# EAGLE board Mk4 Final Panel 8up 4x2 (EAGLE 9.0.1), part 17 of 23
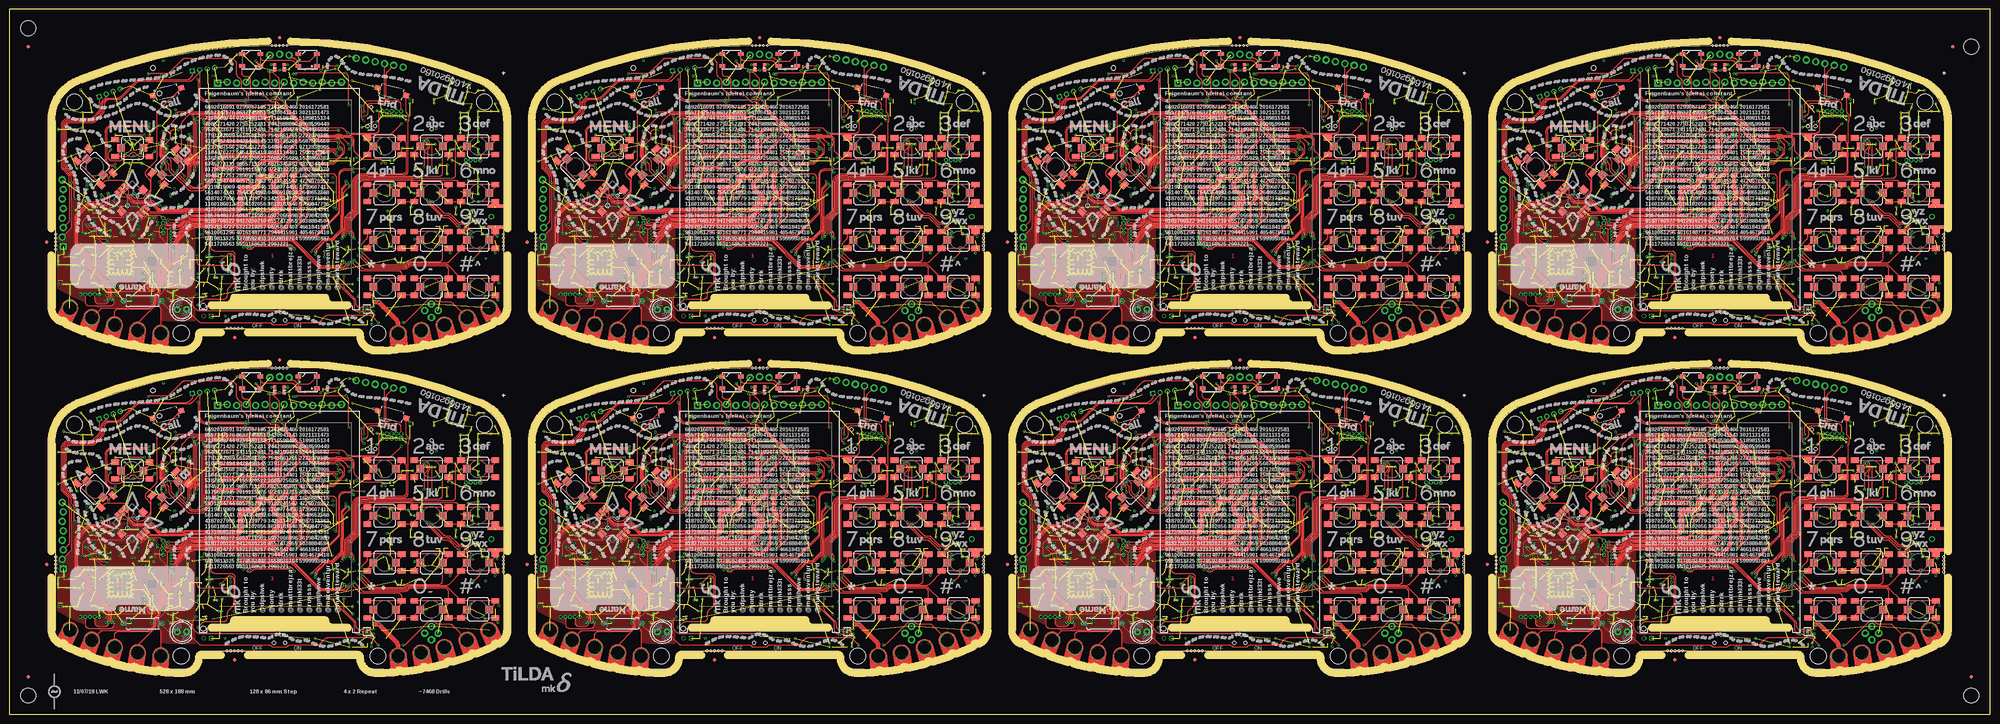
[diagram p0: board, top side]
## Tracks (layer width: path | path; a pad name or v marks a point on that pad's centre or on a via) (continued)
SDRAM_A61  (via drill 0.3) (continued)
  Top 0.15: v297.75,59.25 297.75,60.34 arc45 297.46,61.05 297.38,61.12 arc-45 297.16,61.65 297.16,62.58 arc45 297.09,62.76 296.87,62.98 arc-45 296.8,63.16 296.8,65.24 arc-45 296.95,65.59 297.02,65.67 arc45 297.16,66.02 297.16,66.25 arc-45 297.46,66.96 v297.75,67.25 | v318.65,61.75 317.32,60.42 arc-45 316.61,60.12 311.5,60.12 arc90 310,58.62 310,57.42 arc-45 309.71,56.72 307.76,54.77 arc-45 307.05,54.48 305.2,54.48 arc-45 304.49,54.77 301.04,58.22 arc-45 300.75,58.92 v300.75,59
  Bottom 0.15: IC73.44 298.65,67.1 298.65,67.1 arc45 298.29,67.25 v297.75,67.25 | v297.75,59.25 298.29,59.25 arc-45 298.65,59.1 IC73.34 300.51,59.1 arc-45 v300.75,59 | IC74.41 319.25,62 arc45 v318.65,61.75
SDRAM_A62  (via drill 0.3)
  Top 0.15: v311.5,58.25 311.57,58.17 321.35,58.17 arc45 322.06,58.47 322.9,59.31 arc45 323.05,59.66 v323.05,59.8 | v304.5,58.25 304.5,59.95 arc-45 304.79,60.65 305.48,61.34 arc90 305.48,62.4 304.79,63.09 arc-45 304.5,63.8 v304.5,68
  Bottom 0.15: IC73.45 299.82,67.9 arc45 299.96,67.96 arc-45 300.06,68 v304.5,68 | v311.5,58.25 311,58.25 310.95,58.3 IC73.22 309.8,58.3 arc-45 309.68,58.25 v304.5,58.25 | IC74.50 321.54,65.6 arc-45 322.24,65.31 322.76,64.79 arc-45 323.05,64.09 v323.05,59.8
SDRAM_A63  (via drill 0.3)
  Top 0.15: v297,60.75 297,61.08 296.86,61.22 296.86,62.46 arc45 296.79,62.64 296.57,62.85 arc-45 296.5,63.03 296.5,65.37 arc-45 296.65,65.72 296.72,65.79 arc45 296.86,66.14 296.86,66.95 arc-45 297.16,67.66 297.46,67.96 arc45 297.75,68.66 v297.75,70.25 301.53,74.03 arc-45 302.24,74.33 312.73,74.33 312.79,74.38 arc-90 314.21,74.38 314.42,74.17 324.97,74.17 arc-45 v325.47,73.97
  Bottom 0.15: IC73.48 298.55,70.3 298.5,70.25 v297.75,70.25 | IC73.36 298.55,60.7 298.5,60.75 v297,60.75 | v325.47,73.97 325.8,73.64 IC74.75
SDRAM_A64  (via drill 0.3)
  Top 0.15: v297,69.5 297,68.41 arc-45 296.71,67.71 arc45 296.5,67.21 296.5,66.49 296.52,66.47 296.52,66.1 arc-45 296.48,65.98 296.48,65.97 296.35,65.84 arc45 296.2,65.49 296.2,62.91 arc45 296.27,62.73 296.4,62.6 arc-45 296.48,62.42 296.48,60.53 296.5,60.51 v296.5,60 | v309.25,60.75 310.68,62.18 arc45 310.98,62.89 310.98,63.71 arc-45 311.27,64.42 312.46,65.61 arc-45 313.16,65.9 317.94,65.9 arc-45 318.64,65.61 318.96,65.29 arc45 319.66,65 v321.75,65
  Bottom 0.15: IC73.47 v297,69.5 | v296.5,60 298.42,60 arc-45 298.56,59.94 298.6,59.9 IC73.35 304.49,59.9 arc45 305.19,60.19 305.46,60.46 arc-45 306.16,60.75 v309.25,60.75 | IC74.49 321.27,65.2 arc-45 v321.75,65
SDRAM_A65  (via drill 0.3)
  Top 0.15: v433,73.5 v433,73.49 432.98,73.47 432.98,68.27 433.02,68.22 433.02,63.7 arc45 433.32,62.99 433.73,62.58 arc-90 433.73,61.17 433.27,60.7 arc45 432.98,60 432.98,58.52 433.02,58.47 433.02,58.03 433,58.01 v433,57.5 | v448.3,57.5 447.99,57.19 arc-45 447.29,56.9 440.51,56.9 arc-45 439.81,57.19 v439.5,57.5
  Bottom 0.15: IC91.2 434.21,74.3 arc45 433.51,74.01 v433,73.5 | IC92.29 451,58.02 arc90 450.5,58.52 450.12,58.52 | v439.5,57.5 IC91.23 v433,57.5 | 450.12,58.52 | 450.12,58.52 449.68,58.52 arc45 449.08,58.28 v448.3,57.5
SDRAM_A66  (via drill 0.3)
  Top 0.15: v448.3,56.75 arc-45 447.94,56.6 439.86,56.6 arc-45 v439.5,56.75 | v435.75,72.5 436.11,72.14 arc-45 436.4,71.44 436.4,70.13 arc45 436.44,70.03 arc-45 436.5,69.89 v436.5,56.75
  Bottom 0.15: v435.75,72.5 arc-45 436.23,72.7 IC91.4 | IC92.30 450.6,57.98 arc90 450.35,58.23 449.68,58.23 arc45 449.33,58.08 449.21,57.96 arc45 449,57.45 arc-90 v448.3,56.75 | v439.5,56.75 439.07,56.75 arc45 438.95,56.7 IC91.24 437.8,56.7 437.75,56.75 v436.5,56.75
SDRAM_A67  (via drill 0.3)
  Top 0.15: v435.7,71.75 435.73,71.72 arc-45 436.02,71.01 436.02,58.4 435.98,58.35 435.98,56.02 v436,56 | v448.3,56 v448.29,56.01 arc45 447.59,56.3 440.21,56.3 arc45 v439.51,56.01 v439.5,56
  Bottom 0.15: v435.7,71.75 arc-45 436.06,71.9 IC91.5 | v439.5,56 439.08,56 arc45 438.94,55.94 438.9,55.9 IC91.25 437.85,55.9 437.81,55.94 arc45 437.67,56 v436,56 | IC92.31 450.2,55.85 arc-90 449.7,55.35 448.8,55.35 arc-90 448.3,55.85 v448.3,56 v448.3,55.99
SDRAM_A68  (via drill 0.3)
  Top 0.15: v435.5,70.25 435.48,70.22 435.48,55.27 v435.5,55.25 | v439.5,55.25 439.96,55.71 arc-45 440.66,56 447.14,56 arc-45 447.84,55.71 448.02,55.53 arc90 448.73,55.53 v449.2,56
  Bottom 0.15: v439.5,55.25 439,55.25 438.85,55.1 IC91.26 437.9,55.1 437.81,55.19 arc45 437.67,55.25 v435.5,55.25 | v449.2,56 449.3,56 arc90 449.8,56.5 IC92.32 | v435.5,70.25 435.52,70.25 435.57,70.2 436.61,70.2 arc-45 436.75,70.14 436.77,70.11 arc90 437.83,70.11 438.02,70.3 IC91.7
SDRAM_A69  (via drill 0.3)
  Top 0.15: v439.5,69.5 440.58,68.42 arc45 441.29,68.12 450.71,68.12 arc-45 451.42,67.83 v452.25,67 | v434.75,69.5 434.95,69.3 arc-45 435.1,68.94 435.1,55.76 arc-45 434.95,55.4 v434.55,55
  Bottom 0.15: IC92.22 453.8,65.04 arc45 453.51,65.74 v452.25,67 | v434.75,69.5 IC91.8 v439.5,69.5 | IC91.29 427.59,55.1 arc-45 427.69,55.06 arc45 427.83,55 v434.55,55
SDRAM_A70  (via drill 0.3)
  Top 0.15: v432,68.75 431.98,68.72 431.98,67.58 arc45 432.02,67.48 arc-45 432.07,67.34 432.07,63.8 arc45 432.37,63.09 433.24,62.23 arc-90 433.24,61.52 432.27,60.55 arc45 431.98,59.85 431.98,57.4 432.02,57.35 432.02,56.02 v432,56 | v452.25,66 451.54,66.71 arc45 450.84,67 447.67,67 arc-45 447.53,67.06 447.52,67.07 arc45 447.38,67.12 440.79,67.12 arc-45 440.08,67.42 v439.5,68
  Bottom 0.15: v452.25,66 453.11,65.14 arc-45 453.4,64.44 IC92.23 | v432,68.75 432.09,68.75 arc-45 432.79,68.46 432.96,68.29 arc45 433.66,68 437.42,68 arc-45 437.56,67.94 arc45 437.66,67.9 IC91.10 438.82,67.9 arc45 438.96,67.96 arc-45 439.06,68 v439.5,68 | IC91.30 427.59,55.9 arc45 427.69,55.94 arc-45 427.83,56 v432,56
SDRAM_A71  (via drill 0.3)
  Top 0.15: v431.5,67.25 431.5,65.74 431.52,65.72 431.52,63.93 arc45 431.82,63.22 432.99,62.05 arc-90 432.99,61.7 431.79,60.5 arc45 431.5,59.8 v431.5,56.75 | v452.25,65.25 451.09,66.41 arc45 450.39,66.7 447.55,66.7 arc-45 447.41,66.76 447.4,66.77 arc45 447.26,66.83 440.34,66.83 arc-45 439.63,67.12 v439.5,67.25
  Bottom 0.15: v452.25,65.25 452.71,64.79 arc-45 453,64.09 IC92.24 | v431.5,67.25 437.42,67.25 arc-45 437.56,67.19 437.59,67.16 arc45 437.73,67.1 IC91.11 438.77,67.1 arc45 438.91,67.16 438.94,67.19 arc-45 439.08,67.25 v439.5,67.25 | IC91.31 427.7,56.7 arc-45 427.82,56.75 v431.5,56.75
SDRAM_A72  (via drill 0.3)
  Top 0.15: v452.3,64.3 450.49,66.11 arc45 449.79,66.4 447.43,66.4 arc-45 447.28,66.46 447.28,66.47 arc45 447.13,66.53 440.94,66.53 arc45 440.23,66.23 v439.5,65.5 | v431,65.5 431,62.83 arc-45 430.71,62.12 430.14,61.56 arc45 429.85,60.85 429.85,58.81 arc45 430.14,58.11 v430.75,57.5
  Bottom 0.15: v439.5,65.5 IC91.13 v431,65.5 | IC91.32 v430.75,57.5 | IC92.25 452.6,59.26 452.62,59.28 452.62,63.56 arc45 452.33,64.27 v452.3,64.3
SDRAM_A73  (via drill 0.3)
  Top 0.15: v445.75,60.1 v445.74,60.09 arc-45 445.04,59.8 439.75,59.8 arc90 438.5,58.55 438.5,57.5 arc-45 438.21,56.79 435.88,54.47 arc-45 435.18,54.17 432.74,54.17 arc-45 432.03,54.47 v428.25,58.25 427.29,59.21 arc-45 427,59.91 427,61.33 arc45 426.71,62.03 425.47,63.27 arc-45 425.4,63.45 425.4,64.69 arc-45 425.55,65.05 v426,65.5
  Bottom 0.15: IC91.42 v426,65.5 | IC91.33 427.7,58.3 arc45 427.82,58.25 v428.25,58.25 | IC92.40 447.66,61.6 arc45 446.96,61.31 v445.75,60.1
SDRAM_A74  (via drill 0.3)
  Top 0.15: v425.75,59.25 425.75,60.34 arc45 425.46,61.05 425.38,61.12 arc-45 425.16,61.65 425.16,62.58 arc45 425.09,62.76 424.87,62.98 arc-45 424.8,63.16 424.8,65.24 arc-45 424.95,65.59 425.02,65.67 arc45 425.16,66.02 425.16,66.25 arc-45 425.46,66.96 v425.75,67.25 | v446.65,61.75 445.32,60.42 arc-45 444.61,60.12 439.5,60.12 arc90 438,58.62 438,57.42 arc-45 437.71,56.72 435.76,54.77 arc-45 435.05,54.48 433.2,54.48 arc-45 432.49,54.77 429.04,58.22 arc-45 428.75,58.92 v428.75,59
  Bottom 0.15: IC91.44 426.65,67.1 426.65,67.1 arc45 426.29,67.25 v425.75,67.25 | v425.75,59.25 426.29,59.25 arc-45 426.65,59.1 IC91.34 428.51,59.1 arc-45 v428.75,59 | IC92.41 447.25,62 arc45 v446.65,61.75
SDRAM_A75  (via drill 0.3)
  Top 0.15: v439.5,58.25 439.57,58.17 449.35,58.17 arc45 450.06,58.47 450.9,59.31 arc45 451.05,59.66 v451.05,59.8 | v432.5,58.25 432.5,59.95 arc-45 432.79,60.65 433.48,61.34 arc90 433.48,62.4 432.79,63.09 arc-45 432.5,63.8 v432.5,68
  Bottom 0.15: IC91.45 427.82,67.9 arc45 427.96,67.96 arc-45 428.06,68 v432.5,68 | v439.5,58.25 439,58.25 438.95,58.3 IC91.22 437.8,58.3 arc-45 437.68,58.25 v432.5,58.25 | IC92.50 449.54,65.6 arc-45 450.24,65.31 450.76,64.79 arc-45 451.05,64.09 v451.05,59.8
SDRAM_A76  (via drill 0.3)
  Top 0.15: v425,60.75 425,61.08 424.86,61.22 424.86,62.46 arc45 424.79,62.64 424.57,62.85 arc-45 424.5,63.03 424.5,65.37 arc-45 424.65,65.72 424.72,65.79 arc45 424.86,66.14 424.86,66.95 arc-45 425.16,67.66 425.46,67.96 arc45 425.75,68.66 v425.75,70.25 429.53,74.03 arc-45 430.24,74.33 440.73,74.33 440.79,74.38 arc-90 442.21,74.38 442.42,74.17 452.97,74.17 arc-45 v453.47,73.97
  Bottom 0.15: IC91.48 426.55,70.3 426.5,70.25 v425.75,70.25 | IC91.36 426.55,60.7 426.5,60.75 v425,60.75 | v453.47,73.97 453.8,73.64 IC92.75
SDRAM_A77  (via drill 0.3)
  Top 0.15: v425,69.5 425,68.41 arc-45 424.71,67.71 arc45 424.5,67.21 424.5,66.49 424.52,66.47 424.52,66.1 arc-45 424.48,65.98 424.48,65.97 424.35,65.84 arc45 424.2,65.49 424.2,62.91 arc45 424.27,62.73 424.4,62.6 arc-45 424.48,62.42 424.48,60.53 424.5,60.51 v424.5,60 | v437.25,60.75 438.68,62.18 arc45 438.98,62.89 438.98,63.71 arc-45 439.27,64.42 440.46,65.61 arc-45 441.16,65.9 445.94,65.9 arc-45 446.64,65.61 446.96,65.29 arc45 447.66,65 v449.75,65
  Bottom 0.15: IC91.47 v425,69.5 | v424.5,60 426.42,60 arc-45 426.56,59.94 426.6,59.9 IC91.35 432.49,59.9 arc45 433.19,60.19 433.46,60.46 arc-45 434.16,60.75 v437.25,60.75 | IC92.49 449.27,65.2 arc-45 v449.75,65
SDRAM_A78  (via drill 0.3)
  Top 0.15: v305,159.5 v305,159.49 304.98,159.47 304.98,154.27 305.02,154.22 305.02,149.7 arc45 305.32,148.99 305.73,148.58 arc-90 305.73,147.17 305.27,146.71 arc45 304.98,146 304.98,144.52 305.02,144.47 305.02,144.03 305,144.01 v305,143.5 | v320.3,143.5 319.99,143.19 arc-45 319.29,142.9 312.51,142.9 arc-45 311.81,143.19 v311.5,143.5
  Bottom 0.15: IC109.2 306.21,160.3 arc45 305.51,160.01 v305,159.5 | IC110.29 323,144.03 arc90 322.5,144.53 322.12,144.53 | v311.5,143.5 IC109.23 v305,143.5 | 322.12,144.53 | 322.12,144.53 321.68,144.53 arc45 321.08,144.28 v320.3,143.5
SDRAM_A79  (via drill 0.3)
  Top 0.15: v320.3,142.75 arc-45 319.94,142.6 311.86,142.6 arc-45 v311.5,142.75 | v307.75,158.5 308.11,158.14 arc-45 308.4,157.44 308.4,156.13 arc45 308.44,156.03 arc-45 308.5,155.89 v308.5,142.75
  Bottom 0.15: v307.75,158.5 arc-45 308.23,158.7 IC109.4 | IC110.30 322.6,143.97 arc90 322.35,144.22 321.68,144.22 arc45 321.33,144.08 321.21,143.96 arc45 321,143.45 arc-90 v320.3,142.75 | v311.5,142.75 311.07,142.75 arc45 310.95,142.7 IC109.24 309.8,142.7 309.75,142.75 v308.5,142.75
SDRAM_A80  (via drill 0.3)
  Top 0.15: v307.7,157.75 307.73,157.72 arc-45 308.02,157.01 308.02,144.4 307.98,144.35 307.98,142.03 v308,142 | v320.3,142 v320.29,142.01 arc45 319.59,142.3 312.21,142.3 arc45 v311.51,142.01 v311.5,142
  Bottom 0.15: v307.7,157.75 arc-45 308.06,157.9 IC109.5 | v311.5,142 311.08,142 arc45 310.94,141.94 310.9,141.9 IC109.25 309.85,141.9 309.81,141.94 arc45 309.67,142 v308,142 | IC110.31 322.2,141.85 arc-90 321.7,141.35 320.8,141.35 arc-90 320.3,141.85 v320.3,142 v320.3,141.99
SDRAM_A81  (via drill 0.3)
  Top 0.15: v307.5,156.25 307.48,156.22 307.48,141.28 v307.5,141.25 | v311.5,141.25 311.96,141.71 arc-45 312.66,142 319.14,142 arc-45 319.84,141.71 320.02,141.53 arc90 320.73,141.53 v321.2,142
  Bottom 0.15: v311.5,141.25 311,141.25 310.85,141.1 IC109.26 309.9,141.1 309.81,141.19 arc45 309.67,141.25 v307.5,141.25 | v321.2,142 321.3,142 arc90 321.8,142.5 IC110.32 | v307.5,156.25 307.52,156.25 307.57,156.2 308.61,156.2 arc-45 308.75,156.14 308.77,156.11 arc90 309.84,156.11 310.02,156.3 IC109.7
SDRAM_A82  (via drill 0.3)
  Top 0.15: v311.5,155.5 312.58,154.42 arc45 313.29,154.12 322.71,154.12 arc-45 323.42,153.83 v324.25,153 | v306.75,155.5 306.95,155.3 arc-45 307.1,154.94 307.1,141.76 arc-45 306.95,141.4 v306.55,141
  Bottom 0.15: IC110.22 325.8,151.04 arc45 325.51,151.74 v324.25,153 | v306.75,155.5 IC109.8 v311.5,155.5 | IC109.29 299.59,141.1 arc-45 299.69,141.06 arc45 299.83,141 v306.55,141
SDRAM_A83  (via drill 0.3)
  Top 0.15: v304,154.75 303.98,154.72 303.98,153.58 arc45 304.02,153.48 arc-45 304.07,153.34 304.07,149.8 arc45 304.37,149.09 305.24,148.23 arc-90 305.24,147.52 304.27,146.55 arc45 303.98,145.85 303.98,143.4 304.02,143.35 304.02,142.03 v304,142 | v324.25,152 323.54,152.71 arc45 322.84,153 319.67,153 arc-45 319.53,153.06 319.52,153.07 arc45 319.38,153.12 312.79,153.12 arc-45 312.08,153.42 v311.5,154
  Bottom 0.15: v324.25,152 325.11,151.14 arc-45 325.4,150.44 IC110.23 | v304,154.75 304.09,154.75 arc-45 304.79,154.46 304.96,154.29 arc45 305.66,154 309.42,154 arc-45 309.56,153.94 arc45 309.66,153.9 IC109.10 310.82,153.9 arc45 310.96,153.96 arc-45 311.06,154 v311.5,154 | IC109.30 299.59,141.9 arc45 299.69,141.94 arc-45 299.83,142 v304,142
SDRAM_A84  (via drill 0.3)
  Top 0.15: v303.5,153.25 303.5,151.74 303.52,151.72 303.52,149.93 arc45 303.82,149.22 304.99,148.05 arc-90 304.99,147.7 303.79,146.5 arc45 303.5,145.8 v303.5,142.75 | v324.25,151.25 323.09,152.41 arc45 322.39,152.7 319.55,152.7 arc-45 319.41,152.76 319.4,152.77 arc45 319.26,152.82 312.34,152.82 arc-45 311.63,153.12 v311.5,153.25
  Bottom 0.15: v324.25,151.25 324.71,150.79 arc-45 325,150.09 IC110.24 | v303.5,153.25 309.42,153.25 arc-45 309.56,153.19 309.59,153.16 arc45 309.73,153.1 IC109.11 310.77,153.1 arc45 310.91,153.16 310.94,153.19 arc-45 311.08,153.25 v311.5,153.25 | IC109.31 299.7,142.7 arc-45 299.82,142.75 v303.5,142.75
SDRAM_A85  (via drill 0.3)
  Top 0.15: v324.3,150.3 322.49,152.11 arc45 321.79,152.4 319.43,152.4 arc-45 319.28,152.46 319.28,152.47 arc45 319.13,152.53 312.94,152.53 arc45 312.23,152.23 v311.5,151.5 | v303,151.5 303,148.83 arc-45 302.71,148.12 302.14,147.56 arc45 301.85,146.85 301.85,144.81 arc45 302.14,144.11 v302.75,143.5
  Bottom 0.15: v311.5,151.5 IC109.13 v303,151.5 | IC109.32 v302.75,143.5 | IC110.25 324.6,145.26 324.62,145.28 324.62,149.56 arc45 324.33,150.27 v324.3,150.3
SDRAM_A86  (via drill 0.3)
  Top 0.15: v317.75,146.1 v317.74,146.09 arc-45 317.04,145.8 311.75,145.8 arc90 310.5,144.55 310.5,143.5 arc-45 310.21,142.79 307.88,140.47 arc-45 307.18,140.18 304.74,140.18 arc-45 304.03,140.47 v300.25,144.25 299.29,145.21 arc-45 299,145.91 299,147.33 arc45 298.71,148.03 297.47,149.27 arc-45 297.4,149.45 297.4,150.69 arc-45 297.55,151.05 v298,151.5
  Bottom 0.15: IC109.42 v298,151.5 | IC109.33 299.7,144.3 arc45 299.82,144.25 v300.25,144.25 | IC110.40 319.66,147.6 arc45 318.96,147.31 v317.75,146.1
SDRAM_A87  (via drill 0.3)
  Top 0.15: v297.75,145.25 297.75,146.34 arc45 297.46,147.05 297.38,147.12 arc-45 297.16,147.65 297.16,148.58 arc45 297.09,148.76 296.87,148.98 arc-45 296.8,149.16 296.8,151.24 arc-45 296.95,151.59 297.02,151.67 arc45 297.16,152.02 297.16,152.25 arc-45 297.46,152.96 v297.75,153.25 | v318.65,147.75 317.32,146.42 arc-45 316.61,146.12 311.5,146.12 arc90 310,144.62 310,143.42 arc-45 309.71,142.72 307.76,140.77 arc-45 307.05,140.47 305.2,140.47 arc-45 304.49,140.77 301.04,144.22 arc-45 300.75,144.92 v300.75,145
  Bottom 0.15: IC109.44 298.65,153.1 298.65,153.1 arc45 298.29,153.25 v297.75,153.25 | v297.75,145.25 298.29,145.25 arc-45 298.65,145.1 IC109.34 300.51,145.1 arc-45 v300.75,145 | IC110.41 319.25,148 arc45 v318.65,147.75
SDRAM_A88  (via drill 0.3)
  Top 0.15: v311.5,144.25 311.57,144.18 321.35,144.18 arc45 322.06,144.47 322.9,145.31 arc45 323.05,145.66 v323.05,145.8 | v304.5,144.25 304.5,145.95 arc-45 304.79,146.65 305.48,147.34 arc90 305.48,148.4 304.79,149.09 arc-45 304.5,149.8 v304.5,154
  Bottom 0.15: IC109.45 299.82,153.9 arc45 299.96,153.96 arc-45 300.06,154 v304.5,154 | v311.5,144.25 311,144.25 310.95,144.3 IC109.22 309.8,144.3 arc-45 309.68,144.25 v304.5,144.25 | IC110.50 321.54,151.6 arc-45 322.24,151.31 322.76,150.79 arc-45 323.05,150.09 v323.05,145.8
SDRAM_A89  (via drill 0.3)
  Top 0.15: v297,146.75 297,147.08 296.86,147.22 296.86,148.46 arc45 296.79,148.64 296.57,148.85 arc-45 296.5,149.03 296.5,151.37 arc-45 296.65,151.72 296.72,151.79 arc45 296.86,152.14 296.86,152.95 arc-45 297.16,153.66 297.46,153.96 arc45 297.75,154.66 v297.75,156.25 301.53,160.03 arc-45 302.24,160.32 312.73,160.32 312.79,160.38 arc-90 314.21,160.38 314.42,160.18 324.97,160.18 arc-45 v325.47,159.97
  Bottom 0.15: IC109.48 298.55,156.3 298.5,156.25 v297.75,156.25 | IC109.36 298.55,146.7 298.5,146.75 v297,146.75 | v325.47,159.97 325.8,159.64 IC110.75
SDRAM_A90  (via drill 0.3)
  Top 0.15: v297,155.5 297,154.41 arc-45 296.71,153.71 arc45 296.5,153.21 296.5,152.49 296.52,152.47 296.52,152.1 arc-45 296.48,151.98 296.48,151.97 296.35,151.84 arc45 296.2,151.49 296.2,148.91 arc45 296.27,148.73 296.4,148.6 arc-45 296.48,148.42 296.48,146.53 296.5,146.51 v296.5,146 | v309.25,146.75 310.68,148.18 arc45 310.98,148.89 310.98,149.71 arc-45 311.27,150.42 312.46,151.61 arc-45 313.16,151.9 317.94,151.9 arc-45 318.64,151.61 318.96,151.29 arc45 319.66,151 v321.75,151
  Bottom 0.15: IC109.47 v297,155.5 | v296.5,146 298.42,146 arc-45 298.56,145.94 298.6,145.9 IC109.35 304.49,145.9 arc45 305.19,146.19 305.46,146.46 arc-45 306.16,146.75 v309.25,146.75 | IC110.49 321.27,151.2 arc-45 v321.75,151
SDRAM_A91  (via drill 0.3)
  Top 0.15: v433,159.5 v433,159.49 432.98,159.47 432.98,154.27 433.02,154.22 433.02,149.7 arc45 433.32,148.99 433.73,148.58 arc-90 433.73,147.17 433.27,146.71 arc45 432.98,146 432.98,144.52 433.02,144.47 433.02,144.03 433,144.01 v433,143.5 | v448.3,143.5 447.99,143.19 arc-45 447.29,142.9 440.51,142.9 arc-45 439.81,143.19 v439.5,143.5
  Bottom 0.15: IC127.2 434.21,160.3 arc45 433.51,160.01 v433,159.5 | IC128.29 451,144.03 arc90 450.5,144.53 450.12,144.53 | v439.5,143.5 IC127.23 v433,143.5 | 450.12,144.53 | 450.12,144.53 449.68,144.53 arc45 449.08,144.28 v448.3,143.5
SDRAM_A92  (via drill 0.3)
  Top 0.15: v448.3,142.75 arc-45 447.94,142.6 439.86,142.6 arc-45 v439.5,142.75 | v435.75,158.5 436.11,158.14 arc-45 436.4,157.44 436.4,156.13 arc45 436.44,156.03 arc-45 436.5,155.89 v436.5,142.75
  Bottom 0.15: v435.75,158.5 arc-45 436.23,158.7 IC127.4 | IC128.30 450.6,143.97 arc90 450.35,144.22 449.68,144.22 arc45 449.33,144.08 449.21,143.96 arc45 449,143.45 arc-90 v448.3,142.75 | v439.5,142.75 439.07,142.75 arc45 438.95,142.7 IC127.24 437.8,142.7 437.75,142.75 v436.5,142.75
SDRAM_A93  (via drill 0.3)
  Top 0.15: v435.7,157.75 435.73,157.72 arc-45 436.02,157.01 436.02,144.4 435.98,144.35 435.98,142.03 v436,142 | v448.3,142 v448.29,142.01 arc45 447.59,142.3 440.21,142.3 arc45 v439.51,142.01 v439.5,142
  Bottom 0.15: v435.7,157.75 arc-45 436.06,157.9 IC127.5 | v439.5,142 439.08,142 arc45 438.94,141.94 438.9,141.9 IC127.25 437.85,141.9 437.81,141.94 arc45 437.67,142 v436,142 | IC128.31 450.2,141.85 arc-90 449.7,141.35 448.8,141.35 arc-90 448.3,141.85 v448.3,142 v448.3,141.99
SDRAM_A94  (via drill 0.3)
  Top 0.15: v435.5,156.25 435.48,156.22 435.48,141.28 v435.5,141.25 | v439.5,141.25 439.96,141.71 arc-45 440.66,142 447.14,142 arc-45 447.84,141.71 448.02,141.53 arc90 448.73,141.53 v449.2,142
  Bottom 0.15: v439.5,141.25 439,141.25 438.85,141.1 IC127.26 437.9,141.1 437.81,141.19 arc45 437.67,141.25 v435.5,141.25 | v449.2,142 449.3,142 arc90 449.8,142.5 IC128.32 | v435.5,156.25 435.52,156.25 435.57,156.2 436.61,156.2 arc-45 436.75,156.14 436.77,156.11 arc90 437.83,156.11 438.02,156.3 IC127.7
SDRAM_A95  (via drill 0.3)
  Top 0.15: v439.5,155.5 440.58,154.42 arc45 441.29,154.12 450.71,154.12 arc-45 451.42,153.83 v452.25,153 | v434.75,155.5 434.95,155.3 arc-45 435.1,154.94 435.1,141.76 arc-45 434.95,141.4 v434.55,141
  Bottom 0.15: IC128.22 453.8,151.04 arc45 453.51,151.74 v452.25,153 | v434.75,155.5 IC127.8 v439.5,155.5 | IC127.29 427.59,141.1 arc-45 427.69,141.06 arc45 427.83,141 v434.55,141
SDRAM_A96  (via drill 0.3)
  Top 0.15: v432,154.75 431.98,154.72 431.98,153.58 arc45 432.02,153.48 arc-45 432.07,153.34 432.07,149.8 arc45 432.37,149.09 433.24,148.23 arc-90 433.24,147.52 432.27,146.55 arc45 431.98,145.85 431.98,143.4 432.02,143.35 432.02,142.03 v432,142 | v452.25,152 451.54,152.71 arc45 450.84,153 447.67,153 arc-45 447.53,153.06 447.52,153.07 arc45 447.38,153.12 440.79,153.12 arc-45 440.08,153.42 v439.5,154
  Bottom 0.15: v452.25,152 453.11,151.14 arc-45 453.4,150.44 IC128.23 | v432,154.75 432.09,154.75 arc-45 432.79,154.46 432.96,154.29 arc45 433.66,154 437.42,154 arc-45 437.56,153.94 arc45 437.66,153.9 IC127.10 438.82,153.9 arc45 438.96,153.96 arc-45 439.06,154 v439.5,154 | IC127.30 427.59,141.9 arc45 427.69,141.94 arc-45 427.83,142 v432,142
SDRAM_A97  (via drill 0.3)
  Top 0.15: v431.5,153.25 431.5,151.74 431.52,151.72 431.52,149.93 arc45 431.82,149.22 432.99,148.05 arc-90 432.99,147.7 431.79,146.5 arc45 431.5,145.8 v431.5,142.75 | v452.25,151.25 451.09,152.41 arc45 450.39,152.7 447.55,152.7 arc-45 447.41,152.76 447.4,152.77 arc45 447.26,152.82 440.34,152.82 arc-45 439.63,153.12 v439.5,153.25
  Bottom 0.15: v452.25,151.25 452.71,150.79 arc-45 453,150.09 IC128.24 | v431.5,153.25 437.42,153.25 arc-45 437.56,153.19 437.59,153.16 arc45 437.73,153.1 IC127.11 438.77,153.1 arc45 438.91,153.16 438.94,153.19 arc-45 439.08,153.25 v439.5,153.25 | IC127.31 427.7,142.7 arc-45 427.82,142.75 v431.5,142.75
SDRAM_A98  (via drill 0.3)
  Top 0.15: v452.3,150.3 450.49,152.11 arc45 449.79,152.4 447.43,152.4 arc-45 447.28,152.46 447.28,152.47 arc45 447.13,152.53 440.94,152.53 arc45 440.23,152.23 v439.5,151.5 | v431,151.5 431,148.83 arc-45 430.71,148.12 430.14,147.56 arc45 429.85,146.85 429.85,144.81 arc45 430.14,144.11 v430.75,143.5
  Bottom 0.15: v439.5,151.5 IC127.13 v431,151.5 | IC127.32 v430.75,143.5 | IC128.25 452.6,145.26 452.62,145.28 452.62,149.56 arc45 452.33,150.27 v452.3,150.3
SDRAM_A99  (via drill 0.3)
  Top 0.15: v445.75,146.1 v445.74,146.09 arc-45 445.04,145.8 439.75,145.8 arc90 438.5,144.55 438.5,143.5 arc-45 438.21,142.79 435.88,140.47 arc-45 435.18,140.18 432.74,140.18 arc-45 432.03,140.47 v428.25,144.25 427.29,145.21 arc-45 427,145.91 427,147.33 arc45 426.71,148.03 425.47,149.27 arc-45 425.4,149.45 425.4,150.69 arc-45 425.55,151.05 v426,151.5
  Bottom 0.15: IC127.42 v426,151.5 | IC127.33 427.7,144.3 arc45 427.82,144.25 v428.25,144.25 | IC128.40 447.66,147.6 arc45 446.96,147.31 v445.75,146.1
SDRAM_A100  (via drill 0.3)
  Top 0.15: v425.75,145.25 425.75,146.34 arc45 425.46,147.05 425.38,147.12 arc-45 425.16,147.65 425.16,148.58 arc45 425.09,148.76 424.87,148.98 arc-45 424.8,149.16 424.8,151.24 arc-45 424.95,151.59 425.02,151.67 arc45 425.16,152.02 425.16,152.25 arc-45 425.46,152.96 v425.75,153.25 | v446.65,147.75 445.32,146.42 arc-45 444.61,146.12 439.5,146.12 arc90 438,144.62 438,143.42 arc-45 437.71,142.72 435.76,140.77 arc-45 435.05,140.47 433.2,140.47 arc-45 432.49,140.77 429.04,144.22 arc-45 428.75,144.92 v428.75,145
  Bottom 0.15: IC127.44 426.65,153.1 426.65,153.1 arc45 426.29,153.25 v425.75,153.25 | v425.75,145.25 426.29,145.25 arc-45 426.65,145.1 IC127.34 428.51,145.1 arc-45 v428.75,145 | IC128.41 447.25,148 arc45 v446.65,147.75
SDRAM_A101  (via drill 0.3)
  Top 0.15: v439.5,144.25 439.57,144.18 449.35,144.18 arc45 450.06,144.47 450.9,145.31 arc45 451.05,145.66 v451.05,145.8 | v432.5,144.25 432.5,145.95 arc-45 432.79,146.65 433.48,147.34 arc90 433.48,148.4 432.79,149.09 arc-45 432.5,149.8 v432.5,154
  Bottom 0.15: IC127.45 427.82,153.9 arc45 427.96,153.96 arc-45 428.06,154 v432.5,154 | v439.5,144.25 439,144.25 438.95,144.3 IC127.22 437.8,144.3 arc-45 437.68,144.25 v432.5,144.25 | IC128.50 449.54,151.6 arc-45 450.24,151.31 450.76,150.79 arc-45 451.05,150.09 v451.05,145.8
SDRAM_A102  (via drill 0.3)
  Top 0.15: v425,146.75 425,147.08 424.86,147.22 424.86,148.46 arc45 424.79,148.64 424.57,148.85 arc-45 424.5,149.03 424.5,151.37 arc-45 424.65,151.72 424.72,151.79 arc45 424.86,152.14 424.86,152.95 arc-45 425.16,153.66 425.46,153.96 arc45 425.75,154.66 v425.75,156.25 429.53,160.03 arc-45 430.24,160.32 440.73,160.32 440.79,160.38 arc-90 442.21,160.38 442.42,160.18 452.97,160.18 arc-45 v453.47,159.97
  Bottom 0.15: IC127.48 426.55,156.3 426.5,156.25 v425.75,156.25 | IC127.36 426.55,146.7 426.5,146.75 v425,146.75 | v453.47,159.97 453.8,159.64 IC128.75
SDRAM_A103  (via drill 0.3)
  Top 0.15: v425,155.5 425,154.41 arc-45 424.71,153.71 arc45 424.5,153.21 424.5,152.49 424.52,152.47 424.52,152.1 arc-45 424.48,151.98 424.48,151.97 424.35,151.84 arc45 424.2,151.49 424.2,148.91 arc45 424.27,148.73 424.4,148.6 arc-45 424.48,148.42 424.48,146.53 424.5,146.51 v424.5,146 | v437.25,146.75 438.68,148.18 arc45 438.98,148.89 438.98,149.71 arc-45 439.27,150.42 440.46,151.61 arc-45 441.16,151.9 445.94,151.9 arc-45 446.64,151.61 446.96,151.29 arc45 447.66,151 v449.75,151
  Bottom 0.15: IC127.47 v425,155.5 | v424.5,146 426.42,146 arc-45 426.56,145.94 426.6,145.9 IC127.35 432.49,145.9 arc45 433.19,146.19 433.46,146.46 arc-45 434.16,146.75 v437.25,146.75 | IC128.49 449.27,151.2 arc-45 v449.75,151